# KiCad board pompyboard.kicad_pcb (continued)
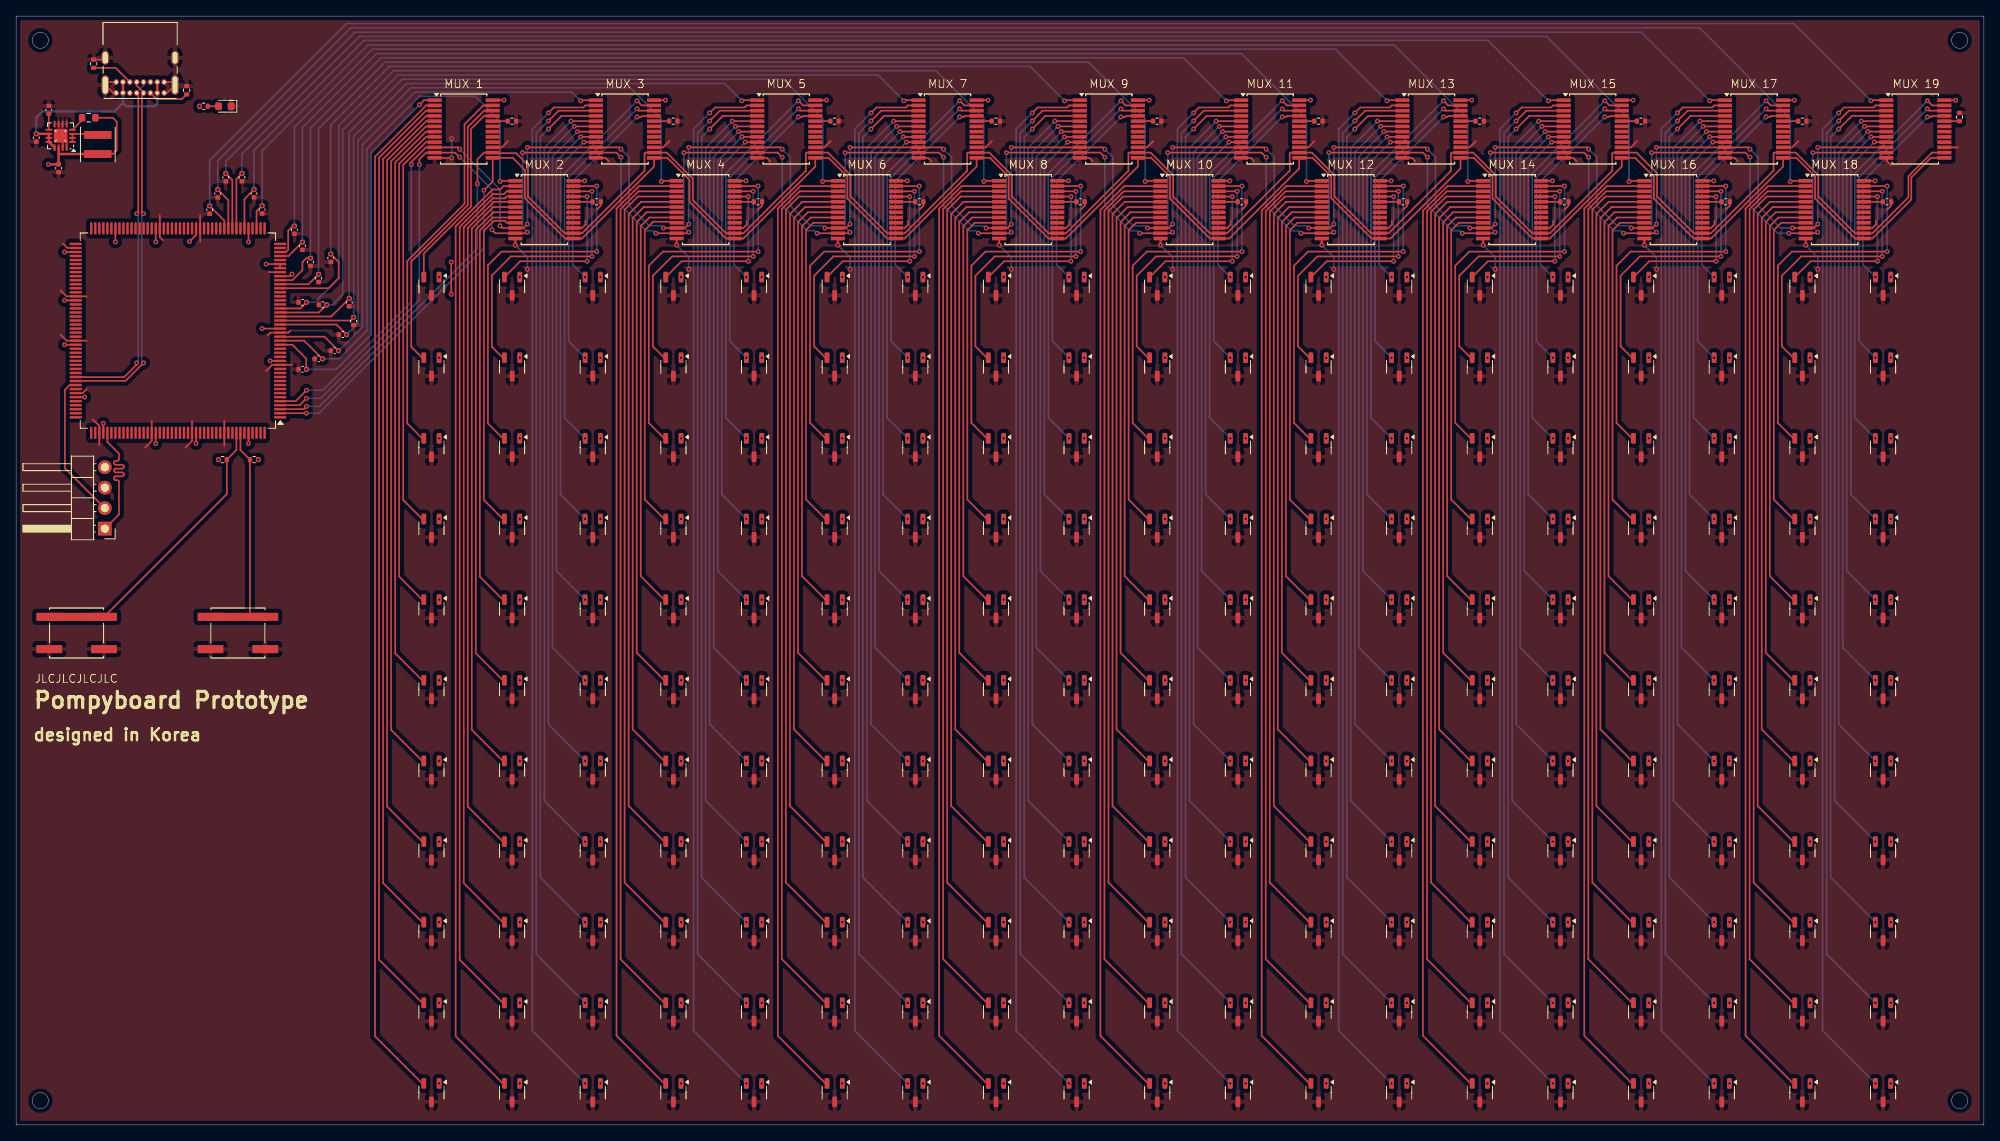
[diagram p0: board, top side]
## Routing (per net, layer and track width the routed paths; a pad name or vN(x,y) marks a point on that pad's centre or on a via; arc(x,y) is an arc through that point) (continued)
/sensor column3/sensor7/OUT: length 86.4
  Top w0.2: 80.5,35 75.95,39.55 75.95,112.94 77.48,114.47 U213.5
/sensor column3/sensor8/OUT: length 97.7
  Top w0.2: U213.4 77.1,115.12 75.45,113.47 75.45,30.05 80.5,25
/sensor column3/sensor9/OUT: length 108.7
  Top w0.2: U213.3 77.16,115.78 74.95,113.57 74.95,20.55 80.5,15
/sensor column3/sensor10/OUT: length 119.7
  Top w0.2: 80.5,5 74.45,11.05 74.45,113.63 77.24,116.42 U213.2
/sensor column4/sensor0/OUT: length 26
  Top w0.2: v1(97,125) 97.5,125 97.62,125.12 U214.21
  Bottom w0.2: v1(97,125) 89,117 89,106.69 v1(90.55,105.14)
/sensor column4/sensor1/OUT: length 37.4
  Top w0.2: v1(97,126) 97.22,125.78 U214.22
  Bottom w0.2: v1(97,126) 88.5,117.5 88.5,97.19 v1(90.55,95.14)
/sensor column4/sensor2/OUT: length 49
  Top w0.2: v1(97,127) 97.58,126.42 U214.23
  Bottom w0.2: v1(97,127) 88,118 88,87.69 v1(90.55,85.14)
/sensor column4/sensor3/OUT: length 50.7
  Top w0.2: v1(90.4,121.88) U214.9
  Bottom w0.2: v1(90.55,75.14) 87.5,78.19 87.5,118.97 v1(90.4,121.88)
/sensor column4/sensor4/OUT: length 62
  Top w0.2: v1(90,122.53) U214.8
  Bottom w0.2: v1(90.55,65.14) 87,68.69 87,119.53 v1(90,122.53)
/sensor column4/sensor5/OUT: length 73.3
  Top w0.2: v1(89.6,123.17) U214.7
  Bottom w0.2: v1(90.55,55.14) 86.5,59.19 86.5,120.08 v1(89.6,123.17)
/sensor column4/sensor6/OUT: length 84.6
  Top w0.2: v1(89.2,123.83) U214.6
  Bottom w0.2: v1(90.55,45.14) 86,49.69 86,120.62 v1(89.2,123.83)
/sensor column4/sensor7/OUT: length 95.9
  Top w0.2: v1(88.8,124.47) U214.5
  Bottom w0.2: v1(90.55,35.14) 85.5,40.19 85.5,121.17 v1(88.8,124.47)
/sensor column4/sensor8/OUT: length 107.6
  Top w0.2: U214.4 87.62,125.12 v1(86,123.5)
  Bottom w0.2: v1(86,123.5) 85,122.5 85,30.69 v1(90.55,25.14)
/sensor column4/sensor9/OUT: length 118.9
  Top w0.2: v1(86,124.5) 87.28,125.78 U214.3
  Bottom w0.2: v1(86,124.5) 84.5,123 84.5,21.19 v1(90.55,15.14)
/sensor column4/sensor10/OUT: length 130.2
  Top w0.2: v1(86,125.5) 86.68,126.18 90.33,126.18 90.58,126.42 U214.2
  Bottom w0.2: v1(86,125.5) 84,123.5 84,11.69 v1(90.55,5.14)
/sensor column5/sensor0/OUT: length 20.8
  Top w0.2: U6.2 102.51,107.1 v1(110.8,107.1) ; v1(110.8,115.12) U215.21
  Bottom w0.2: v1(110.8,107.1) v1(110.8,115.12)
/sensor column5/sensor1/OUT: length 34.8
  Top w0.2: v1(111.4,115.78) U215.22 ; 100.5,95 98.95,96.55 98.95,105.3 101.35,107.7 v1(111.4,107.7)
  Bottom w0.2: v1(111.4,115.78) v1(111.4,107.7)
/sensor column5/sensor2/OUT: length 47.7
  Top w0.2: 100.5,85 98.45,87.05 98.45,106.55 100.2,108.3 v1(112,108.3) ; v1(112,116.42) U215.23
  Bottom w0.2: v1(112,108.3) v1(112,116.42)
/sensor column5/sensor3/OUT: length 41.4
  Top w0.2: 100.5,75 97.95,77.55 97.95,110.97 98.85,111.88 U215.9
/sensor column5/sensor4/OUT: length 52.6
  Top w0.2: 100.5,65 97.45,68.05 97.45,111.45 98.53,112.53 U215.8
/sensor column5/sensor5/OUT: length 63.9
  Top w0.2: 100.5,55 96.95,58.55 96.95,111.95 98.17,113.17 U215.7
/sensor column5/sensor6/OUT: length 75.1
  Top w0.2: U215.6 97.83,113.83 96.45,112.45 96.45,49.05 100.5,45
/sensor column5/sensor7/OUT: length 86.4
  Top w0.2: 100.5,35 95.95,39.55 95.95,112.95 97.47,114.47 U215.5
/sensor column5/sensor8/OUT: length 97.7
  Top w0.2: 100.5,25 95.45,30.05 95.45,113.5 97.08,115.12 U215.4
/sensor column5/sensor9/OUT: length 108.7
  Top w0.2: U215.3 97.16,115.78 94.95,113.57 94.95,20.55 100.5,15
/sensor column5/sensor10/OUT: length 119.7
  Top w0.2: 100.5,5 94.45,11.05 94.45,113.63 97.24,116.42 U215.2
/sensor column6/sensor0/OUT: length 26
  Top w0.2: U216.21 117.62,125.12 117.5,125 v1(117,125)
  Bottom w0.2: v1(110.55,105.14) 109,106.69 109,117 v1(117,125)
/sensor column6/sensor1/OUT: length 37.4
  Top w0.2: v1(117,126) 117.22,125.78 U216.22
  Bottom w0.2: v1(110.55,95.14) 108.5,97.19 108.5,117.5 v1(117,126)
/sensor column6/sensor2/OUT: length 49
  Top w0.2: U216.23 117.57,126.42 v1(117,127)
  Bottom w0.2: v1(117,127) 108,118 108,87.69 v1(110.55,85.14)
/sensor column6/sensor3/OUT: length 50.7
  Top w0.2: v1(110.4,121.88) U216.9
  Bottom w0.2: v1(110.55,75.14) 107.5,78.19 107.5,118.97 v1(110.4,121.88)
/sensor column6/sensor4/OUT: length 62
  Top w0.2: v1(110,122.53) U216.8
  Bottom w0.2: v1(110,122.53) 107,119.53 107,68.69 v1(110.55,65.14)
/sensor column6/sensor5/OUT: length 73.3
  Top w0.2: v1(109.6,123.17) U216.7
  Bottom w0.2: v1(110.55,55.14) 106.5,59.19 106.5,120.08 v1(109.6,123.17)
/sensor column6/sensor6/OUT: length 84.6
  Top w0.2: v1(109.2,123.83) U216.6
  Bottom w0.2: v1(109.2,123.83) 106,120.62 106,49.69 v1(110.55,45.14)
/sensor column6/sensor7/OUT: length 95.9
  Top w0.2: v1(108.8,124.47) U216.5
  Bottom w0.2: v1(110.55,35.14) 105.5,40.19 105.5,121.17 v1(108.8,124.47)
/sensor column6/sensor8/OUT: length 107.6
  Top w0.2: U216.4 107.62,125.12 v1(106,123.5)
  Bottom w0.2: v1(106,123.5) 105,122.5 105,30.69 v1(110.55,25.14)
/sensor column6/sensor9/OUT: length 118.9
  Top w0.2: v1(106,124.5) 107.28,125.78 U216.3
  Bottom w0.2: v1(110.55,15.14) 104.5,21.19 104.5,123 v1(106,124.5)
/sensor column6/sensor10/OUT: length 130.2
  Top w0.2: U216.2 110.57,126.42 110.33,126.18 106.68,126.18 v1(106,125.5)
  Bottom w0.2: v1(110.55,5.14) 104,11.69 104,123.5 v1(106,125.5)
/sensor column7/sensor0/OUT: length 20.8
  Top w0.2: v1(130.8,107.1) 122.51,107.1 U8.2 ; v1(130.8,115.12) U217.21
  Bottom w0.2: v1(130.8,107.1) v1(130.8,115.12)
/sensor column7/sensor1/OUT: length 34.8
  Top w0.2: v1(131.4,107.7) 121.35,107.7 118.95,105.3 118.95,96.55 120.5,95 ; v1(131.4,115.78) U217.22
  Bottom w0.2: v1(131.4,115.78) v1(131.4,107.7)
/sensor column7/sensor2/OUT: length 47.7
  Top w0.2: v1(132,108.3) 120.2,108.3 118.45,106.55 118.45,87.05 120.5,85 ; v1(132,116.42) U217.23
  Bottom w0.2: v1(132,108.3) v1(132,116.42)
/sensor column7/sensor3/OUT: length 41.3
  Top w0.2: U217.9 118.88,111.88 117.95,110.95 117.95,77.55 120.5,75
/sensor column7/sensor4/OUT: length 52.6
  Top w0.2: U217.8 118.53,112.53 117.45,111.45 117.45,68.05 120.5,65
/sensor column7/sensor5/OUT: length 63.9
  Top w0.2: 120.5,55 116.95,58.55 116.95,111.95 118.18,113.17 U217.7
/sensor column7/sensor6/OUT: length 75.1
  Top w0.2: U217.6 117.82,113.83 116.45,112.45 116.45,49.05 120.5,45
/sensor column7/sensor7/OUT: length 86.4
  Top w0.2: U217.5 117.47,114.47 115.95,112.95 115.95,39.55 120.5,35
/sensor column7/sensor8/OUT: length 97.7
  Top w0.2: 120.5,25 115.45,30.05 115.45,113.45 117.12,115.12 U217.4
/sensor column7/sensor9/OUT: length 108.7
  Top w0.2: U217.3 117.16,115.78 114.95,113.57 114.95,20.55 120.5,15
/sensor column7/sensor10/OUT: length 119.7
  Top w0.2: U217.2 117.24,116.42 114.45,113.63 114.45,11.05 120.5,5
/sensor column8/sensor0/OUT: length 26
  Top w0.2: v1(137,125) 137.5,125 137.62,125.12 U218.21
  Bottom w0.2: v1(130.55,105.14) 129,106.69 129,117 v1(137,125)
/sensor column8/sensor1/OUT: length 37.4
  Top w0.2: U218.22 137.22,125.78 v1(137,126)
  Bottom w0.2: v1(130.55,95.14) 128.5,97.19 128.5,117.5 v1(137,126)
/sensor column8/sensor2/OUT: length 49
  Top w0.2: U218.23 137.57,126.42 v1(137,127)
  Bottom w0.2: v1(130.55,85.14) 128,87.69 128,118 v1(137,127)
/sensor column8/sensor3/OUT: length 50.7
  Top w0.2: v1(130.4,121.88) U218.9
  Bottom w0.2: v1(130.55,75.14) 127.5,78.19 127.5,118.97 v1(130.4,121.88)
/sensor column8/sensor4/OUT: length 62
  Top w0.2: v1(130,122.53) U218.8
  Bottom w0.2: v1(130,122.53) 127,119.53 127,68.69 v1(130.55,65.14)
/sensor column8/sensor5/OUT: length 73.3
  Top w0.2: v1(129.6,123.17) U218.7
  Bottom w0.2: v1(129.6,123.17) 126.5,120.08 126.5,59.19 v1(130.55,55.14)
/sensor column8/sensor6/OUT: length 84.6
  Top w0.2: v1(129.2,123.83) U218.6
  Bottom w0.2: v1(130.55,45.14) 126,49.69 126,120.62 v1(129.2,123.83)
/sensor column8/sensor7/OUT: length 95.9
  Top w0.2: v1(128.8,124.47) U218.5
  Bottom w0.2: v1(130.55,35.14) 125.5,40.19 125.5,121.17 v1(128.8,124.47)
/sensor column8/sensor8/OUT: length 107.6
  Top w0.2: U218.4 127.62,125.12 v1(126,123.5)
  Bottom w0.2: v1(126,123.5) 125,122.5 125,30.69 v1(130.55,25.14)
/sensor column8/sensor9/OUT: length 118.9
  Top w0.2: U218.3 127.28,125.78 v1(126,124.5)
  Bottom w0.2: v1(130.55,15.14) 124.5,21.19 124.5,123 v1(126,124.5)
/sensor column8/sensor10/OUT: length 130.2
  Top w0.2: U218.2 130.57,126.42 130.33,126.18 126.68,126.18 v1(126,125.5)
  Bottom w0.2: v1(126,125.5) 124,123.5 124,11.69 v1(130.55,5.14)
/sensor column9/sensor0/OUT: length 20.8
  Top w0.2: v1(150.8,115.12) U219.21 ; v1(150.8,107.1) 142.51,107.1 U10.2
  Bottom w0.2: v1(150.8,107.1) v1(150.8,115.12)
/sensor column9/sensor1/OUT: length 34.8
  Top w0.2: v1(151.4,115.78) U219.22 ; 140.5,95 138.95,96.55 138.95,105.3 141.35,107.7 v1(151.4,107.7)
  Bottom w0.2: v1(151.4,115.78) v1(151.4,107.7)
/sensor column9/sensor2/OUT: length 47.7
  Top w0.2: v1(152,108.3) 140.2,108.3 138.45,106.55 138.45,87.05 140.5,85 ; v1(152,116.42) U219.23
  Bottom w0.2: v1(152,108.3) v1(152,116.42)
/sensor column9/sensor3/OUT: length 41.3
  Top w0.2: 140.5,75 137.95,77.55 137.95,110.95 138.88,111.88 U219.9
/sensor column9/sensor4/OUT: length 52.6
  Top w0.2: 140.5,65 137.45,68.05 137.45,111.45 138.53,112.53 U219.8
/sensor column9/sensor5/OUT: length 63.9
  Top w0.2: 140.5,55 136.95,58.55 136.95,111.95 138.18,113.17 U219.7
/sensor column9/sensor6/OUT: length 75.1
  Top w0.2: U219.6 137.82,113.83 136.45,112.45 136.45,49.05 140.5,45
/sensor column9/sensor7/OUT: length 86.4
  Top w0.2: 140.5,35 135.95,39.55 135.95,112.95 137.47,114.47 U219.5
/sensor column9/sensor8/OUT: length 97.6
  Top w0.2: 140.5,25 135.45,30.05 135.45,113.32 137.26,115.12 U219.4
/sensor column9/sensor9/OUT: length 108.6
  Top w0.2: U219.3 137.34,115.78 134.95,113.38 134.95,20.55 140.5,15
/sensor column9/sensor10/OUT: length 119.6
  Top w0.2: 140.5,5 134.45,11.05 134.45,113.45 137.43,116.42 U219.2
/sensor column10/sensor0/OUT: length 26
  Top w0.2: v1(157,125) 157.5,125 157.62,125.12 U220.21
  Bottom w0.2: v1(150.55,105.14) 149,106.69 149,117 v1(157,125)
/sensor column10/sensor1/OUT: length 37.4
  Top w0.2: U220.22 157.22,125.78 v1(157,126)
  Bottom w0.2: v1(157,126) 148.5,117.5 148.5,97.19 v1(150.55,95.14)
/sensor column10/sensor2/OUT: length 49
  Top w0.2: U220.23 157.57,126.42 v1(157,127)
  Bottom w0.2: v1(150.55,85.14) 148,87.69 148,118 v1(157,127)
/sensor column10/sensor3/OUT: length 50.7
  Top w0.2: v1(150.4,121.88) U220.9
  Bottom w0.2: v1(150.4,121.88) 147.5,118.97 147.5,78.19 v1(150.55,75.14)
/sensor column10/sensor4/OUT: length 62
  Top w0.2: v1(150,122.53) U220.8
  Bottom w0.2: v1(150,122.53) 147,119.53 147,68.69 v1(150.55,65.14)
/sensor column10/sensor5/OUT: length 73.3
  Top w0.2: v1(149.6,123.17) U220.7
  Bottom w0.2: v1(150.55,55.14) 146.5,59.19 146.5,120.08 v1(149.6,123.17)
/sensor column10/sensor6/OUT: length 84.6
  Top w0.2: v1(149.2,123.83) U220.6
  Bottom w0.2: v1(149.2,123.83) 146,120.62 146,49.69 v1(150.55,45.14)
/sensor column10/sensor7/OUT: length 95.9
  Top w0.2: v1(148.8,124.47) U220.5
  Bottom w0.2: v1(148.8,124.47) 145.5,121.17 145.5,40.19 v1(150.55,35.14)
/sensor column10/sensor8/OUT: length 107.6
  Top w0.2: v1(146,123.5) 147.62,125.12 U220.4
  Bottom w0.2: v1(146,123.5) 145,122.5 145,30.69 v1(150.55,25.14)
/sensor column10/sensor9/OUT: length 118.9
  Top w0.2: v1(146,124.5) 147.28,125.78 U220.3
  Bottom w0.2: v1(146,124.5) 144.5,123 144.5,21.19 v1(150.55,15.14)
/sensor column10/sensor10/OUT: length 130.2
  Top w0.2: v1(146,125.5) 146.68,126.18 150.33,126.18 150.57,126.42 U220.2
  Bottom w0.2: v1(146,125.5) 144,123.5 144,11.69 v1(150.55,5.14)
/sensor column11/sensor0/OUT: length 20.8
  Top w0.2: v1(170.8,115.12) U221.21 ; U12.2 162.51,107.1 v1(170.8,107.1)
  Bottom w0.2: v1(170.8,107.1) v1(170.8,115.12)
/sensor column11/sensor1/OUT: length 34.8
  Top w0.2: 160.5,95 158.95,96.55 158.95,105.3 161.35,107.7 v1(171.4,107.7) ; v1(171.4,115.78) U221.22
  Bottom w0.2: v1(171.4,115.78) v1(171.4,107.7)
/sensor column11/sensor2/OUT: length 47.7
  Top w0.2: v1(172,116.42) U221.23 ; v1(172,108.3) 160.2,108.3 158.45,106.55 158.45,87.05 160.5,85
  Bottom w0.2: v1(172,108.3) v1(172,116.42)
/sensor column11/sensor3/OUT: length 41.3
  Top w0.2: U221.9 158.88,111.88 157.95,110.95 157.95,77.55 160.5,75
/sensor column11/sensor4/OUT: length 52.6
  Top w0.2: U221.8 158.53,112.53 157.45,111.45 157.45,68.05 160.5,65
/sensor column11/sensor5/OUT: length 63.9
  Top w0.2: U221.7 158.18,113.17 156.95,111.95 156.95,58.55 160.5,55
/sensor column11/sensor6/OUT: length 75.1
  Top w0.2: 160.5,45 156.45,49.05 156.45,112.45 157.82,113.83 U221.6
/sensor column11/sensor7/OUT: length 86.4
  Top w0.2: U221.5 157.47,114.47 155.95,112.95 155.95,39.55 160.5,35
/sensor column11/sensor8/OUT: length 97.6
  Top w0.2: 160.5,25 155.45,30.05 155.45,113.25 157.33,115.12 U221.4
/sensor column11/sensor9/OUT: length 108.6
  Top w0.2: U221.3 157.41,115.78 154.95,113.32 154.95,20.55 160.5,15
/sensor column11/sensor10/OUT: length 119.6
  Top w0.2: 160.5,5 154.45,11.05 154.45,113.38 157.49,116.42 U221.2
/sensor column12/sensor0/OUT: length 26
  Top w0.2: U222.21 177.62,125.12 177.5,125 v1(177,125)
  Bottom w0.2: v1(177,125) 169,117 169,106.69 v1(170.55,105.14)
/sensor column12/sensor1/OUT: length 37.4
  Top w0.2: v1(177,126) 177.22,125.78 U222.22
  Bottom w0.2: v1(177,126) 168.5,117.5 168.5,97.19 v1(170.55,95.14)
/sensor column12/sensor2/OUT: length 49
  Top w0.2: v1(177,127) 177.57,126.42 U222.23
  Bottom w0.2: v1(177,127) 168,118 168,87.69 v1(170.55,85.14)
/sensor column12/sensor3/OUT: length 50.7
  Top w0.2: v1(170.4,121.88) U222.9
  Bottom w0.2: v1(170.4,121.88) 167.5,118.97 167.5,78.19 v1(170.55,75.14)
/sensor column12/sensor4/OUT: length 62
  Top w0.2: v1(170,122.53) U222.8
  Bottom w0.2: v1(170,122.53) 167,119.53 167,68.69 v1(170.55,65.14)
/sensor column12/sensor5/OUT: length 73.3
  Top w0.2: v1(169.6,123.17) U222.7
  Bottom w0.2: v1(169.6,123.17) 166.5,120.08 166.5,59.19 v1(170.55,55.14)
/sensor column12/sensor6/OUT: length 84.6
  Top w0.2: v1(169.2,123.83) U222.6
  Bottom w0.2: v1(169.2,123.83) 166,120.62 166,49.69 v1(170.55,45.14)
/sensor column12/sensor7/OUT: length 95.9
  Top w0.2: v1(168.8,124.47) U222.5
  Bottom w0.2: v1(168.8,124.47) 165.5,121.17 165.5,40.19 v1(170.55,35.14)
/sensor column12/sensor8/OUT: length 107.6
  Top w0.2: U222.4 167.62,125.12 v1(166,123.5)
  Bottom w0.2: v1(166,123.5) 165,122.5 165,30.69 v1(170.55,25.14)
/sensor column12/sensor9/OUT: length 118.9
  Top w0.2: U222.3 167.28,125.78 v1(166,124.5)
  Bottom w0.2: v1(170.55,15.14) 164.5,21.19 164.5,123 v1(166,124.5)
/sensor column12/sensor10/OUT: length 130.2
  Top w0.2: U222.2 170.57,126.42 170.33,126.18 166.68,126.18 v1(166,125.5)
  Bottom w0.2: v1(170.55,5.14) 164,11.69 164,123.5 v1(166,125.5)
/sensor column13/sensor0/OUT: length 20.8
  Top w0.2: v1(190.8,107.1) 182.51,107.1 U14.2 ; v1(190.8,115.12) U223.21
  Bottom w0.2: v1(190.8,107.1) v1(190.8,115.12)
/sensor column13/sensor1/OUT: length 34.8
  Top w0.2: v1(191.4,107.7) 181.35,107.7 178.95,105.3 178.95,96.55 180.5,95 ; v1(191.4,115.78) U223.22
  Bottom w0.2: v1(191.4,115.78) v1(191.4,107.7)
/sensor column13/sensor2/OUT: length 47.7
  Top w0.2: 180.5,85 178.45,87.05 178.45,106.55 180.2,108.3 v1(192,108.3) ; v1(192,116.42) U223.23
  Bottom w0.2: v1(192,108.3) v1(192,116.42)
/sensor column13/sensor3/OUT: length 41.3
  Top w0.2: U223.9 178.88,111.88 177.95,110.95 177.95,77.55 180.5,75
/sensor column13/sensor4/OUT: length 52.6
  Top w0.2: U223.8 178.53,112.53 177.45,111.45 177.45,68.05 180.5,65
/sensor column13/sensor5/OUT: length 63.9
  Top w0.2: 180.5,55 176.95,58.55 176.95,111.95 178.18,113.17 U223.7
/sensor column13/sensor6/OUT: length 75.1
  Top w0.2: U223.6 177.82,113.83 176.45,112.45 176.45,49.05 180.5,45
/sensor column13/sensor7/OUT: length 86.4
  Top w0.2: 180.5,35 175.95,39.55 175.95,112.95 177.47,114.47 U223.5
/sensor column13/sensor8/OUT: length 97.6
  Top w0.2: 180.5,25 175.45,30.05 175.45,113.25 177.33,115.12 U223.4
/sensor column13/sensor9/OUT: length 108.6
  Top w0.2: U223.3 177.41,115.78 174.95,113.32 174.95,20.55 180.5,15
/sensor column13/sensor10/OUT: length 119.6
  Top w0.2: U223.2 177.49,116.42 174.45,113.38 174.45,11.05 180.5,5
/sensor column14/sensor0/OUT: length 26
  Top w0.2: U224.21 197.62,125.12 197.5,125 v1(197,125)
  Bottom w0.2: v1(190.55,105.14) 189,106.69 189,117 v1(197,125)
/sensor column14/sensor1/OUT: length 37.4
  Top w0.2: v1(197,126) 197.22,125.78 U224.22
  Bottom w0.2: v1(190.55,95.14) 188.5,97.19 188.5,117.5 v1(197,126)
/sensor column14/sensor2/OUT: length 49
  Top w0.2: U224.23 197.57,126.42 v1(197,127)
  Bottom w0.2: v1(197,127) 188,118 188,87.69 v1(190.55,85.14)
/sensor column14/sensor3/OUT: length 50.7
  Top w0.2: v1(190.4,121.88) U224.9
  Bottom w0.2: v1(190.4,121.88) 187.5,118.97 187.5,78.19 v1(190.55,75.14)
/sensor column14/sensor4/OUT: length 62
  Top w0.2: v1(190,122.53) U224.8
  Bottom w0.2: v1(190.55,65.14) 187,68.69 187,119.53 v1(190,122.53)
/sensor column14/sensor5/OUT: length 73.3
  Top w0.2: v1(189.6,123.17) U224.7
  Bottom w0.2: v1(190.55,55.14) 186.5,59.19 186.5,120.08 v1(189.6,123.17)
/sensor column14/sensor6/OUT: length 84.6
  Top w0.2: v1(189.2,123.83) U224.6
  Bottom w0.2: v1(189.2,123.83) 186,120.62 186,49.69 v1(190.55,45.14)
/sensor column14/sensor7/OUT: length 95.9
  Top w0.2: v1(188.8,124.47) U224.5
  Bottom w0.2: v1(190.55,35.14) 185.5,40.19 185.5,121.17 v1(188.8,124.47)
/sensor column14/sensor8/OUT: length 107.6
  Top w0.2: v1(186,123.5) 187.62,125.12 U224.4
  Bottom w0.2: v1(186,123.5) 185,122.5 185,30.69 v1(190.55,25.14)
/sensor column14/sensor9/OUT: length 118.9
  Top w0.2: U224.3 187.28,125.78 v1(186,124.5)
  Bottom w0.2: v1(186,124.5) 184.5,123 184.5,21.19 v1(190.55,15.14)
/sensor column14/sensor10/OUT: length 130.2
  Top w0.2: U224.2 190.57,126.42 190.33,126.18 186.68,126.18 v1(186,125.5)
  Bottom w0.2: v1(190.55,5.14) 184,11.69 184,123.5 v1(186,125.5)
/sensor column15/sensor0/OUT: length 20.8
  Top w0.2: v1(210.8,115.12) U225.21 ; U16.2 202.51,107.1 v1(210.8,107.1)
  Bottom w0.2: v1(210.8,107.1) v1(210.8,115.12)
/sensor column15/sensor1/OUT: length 34.8
  Top w0.2: v1(211.4,107.7) 201.35,107.7 198.95,105.3 198.95,96.55 200.5,95 ; v1(211.4,115.78) U225.22
  Bottom w0.2: v1(211.4,115.78) v1(211.4,107.7)
/sensor column15/sensor2/OUT: length 47.7
  Top w0.2: 200.5,85 198.45,87.05 198.45,106.55 200.2,108.3 v1(212,108.3) ; v1(212,116.42) U225.23
  Bottom w0.2: v1(212,108.3) v1(212,116.42)
/sensor column15/sensor3/OUT: length 41.3
  Top w0.2: U225.9 198.88,111.88 197.95,110.95 197.95,77.55 200.5,75
/sensor column15/sensor4/OUT: length 52.6
  Top w0.2: U225.8 198.53,112.53 197.45,111.45 197.45,68.05 200.5,65
/sensor column15/sensor5/OUT: length 63.9
  Top w0.2: U225.7 198.18,113.17 196.95,111.95 196.95,58.55 200.5,55
/sensor column15/sensor6/OUT: length 75.1
  Top w0.2: 200.5,45 196.45,49.05 196.45,112.45 197.82,113.83 U225.6
/sensor column15/sensor7/OUT: length 86.4
  Top w0.2: U225.5 197.47,114.47 195.95,112.95 195.95,39.55 200.5,35
/sensor column15/sensor8/OUT: length 97.7
  Top w0.2: U225.4 197.08,115.12 195.45,113.5 195.45,30.05 200.5,25
/sensor column15/sensor9/OUT: length 108.7
  Top w0.2: 200.5,15 194.95,20.55 194.95,113.57 197.16,115.78 U225.3
/sensor column15/sensor10/OUT: length 119.7
  Top w0.2: U225.2 197.24,116.42 194.45,113.63 194.45,11.05 200.5,5
/sensor column16/sensor0/OUT: length 26
  Top w0.2: U226.21 217.62,125.12 217.5,125 v1(217,125)
  Bottom w0.2: v1(217,125) 209,117 209,106.69 v1(210.55,105.14)
/sensor column16/sensor1/OUT: length 37.4
  Top w0.2: v1(217,126) 217.22,125.78 U226.22
  Bottom w0.2: v1(217,126) 208.5,117.5 208.5,97.19 v1(210.55,95.14)
/sensor column16/sensor2/OUT: length 49
  Top w0.2: v1(217,127) 217.57,126.42 U226.23
  Bottom w0.2: v1(210.55,85.14) 208,87.69 208,118 v1(217,127)
/sensor column16/sensor3/OUT: length 50.7
  Top w0.2: v1(210.4,121.88) U226.9
  Bottom w0.2: v1(210.4,121.88) 207.5,118.97 207.5,78.19 v1(210.55,75.14)
/sensor column16/sensor4/OUT: length 62
  Top w0.2: v1(210,122.53) U226.8
  Bottom w0.2: v1(210.55,65.14) 207,68.69 207,119.53 v1(210,122.53)
/sensor column16/sensor5/OUT: length 73.3
  Top w0.2: v1(209.6,123.17) U226.7
  Bottom w0.2: v1(209.6,123.17) 206.5,120.08 206.5,59.19 v1(210.55,55.14)
/sensor column16/sensor6/OUT: length 84.6
  Top w0.2: v1(209.2,123.83) U226.6
  Bottom w0.2: v1(210.55,45.14) 206,49.69 206,120.62 v1(209.2,123.83)
/sensor column16/sensor7/OUT: length 95.9
  Top w0.2: v1(208.8,124.47) U226.5
  Bottom w0.2: v1(210.55,35.14) 205.5,40.19 205.5,121.17 v1(208.8,124.47)
/sensor column16/sensor8/OUT: length 107.6
  Top w0.2: U226.4 207.62,125.12 v1(206,123.5)
  Bottom w0.2: v1(206,123.5) 205,122.5 205,30.69 v1(210.55,25.14)
/sensor column16/sensor9/OUT: length 118.9
  Top w0.2: v1(206,124.5) 207.28,125.78 U226.3
  Bottom w0.2: v1(210.55,15.14) 204.5,21.19 204.5,123 v1(206,124.5)
/sensor column16/sensor10/OUT: length 130.2
  Top w0.2: U226.2 210.57,126.42 210.33,126.18 206.68,126.18 v1(206,125.5)
  Bottom w0.2: v1(210.55,5.14) 204,11.69 204,123.5 v1(206,125.5)
/sensor column17/sensor0/OUT: length 20.8
  Top w0.2: v1(230.8,107.1) 222.51,107.1 U18.2 ; v1(230.8,115.12) U227.21
  Bottom w0.2: v1(230.8,107.1) v1(230.8,115.12)
/sensor column17/sensor1/OUT: length 34.8
  Top w0.2: v1(231.4,107.7) 221.35,107.7 218.95,105.3 218.95,96.55 220.5,95 ; v1(231.4,115.78) U227.22
  Bottom w0.2: v1(231.4,115.78) v1(231.4,107.7)
/sensor column17/sensor2/OUT: length 47.7
  Top w0.2: v1(232,116.42) U227.23 ; 220.5,85 218.45,87.05 218.45,106.55 220.2,108.3 v1(232,108.3)
  Bottom w0.2: v1(232,108.3) v1(232,116.42)
/sensor column17/sensor3/OUT: length 41.3
  Top w0.2: 220.5,75 217.95,77.55 217.95,110.95 218.88,111.88 U227.9
/sensor column17/sensor4/OUT: length 52.6
  Top w0.2: 220.5,65 217.45,68.05 217.45,111.45 218.53,112.53 U227.8
/sensor column17/sensor5/OUT: length 63.9
  Top w0.2: U227.7 218.18,113.17 216.95,111.95 216.95,58.55 220.5,55
/sensor column17/sensor6/OUT: length 75.1
  Top w0.2: U227.6 217.82,113.83 216.45,112.45 216.45,49.05 220.5,45
/sensor column17/sensor7/OUT: length 86.4
  Top w0.2: U227.5 217.47,114.47 215.95,112.95 215.95,39.55 220.5,35
/sensor column17/sensor8/OUT: length 97.7
  Top w0.2: U227.4 217.08,115.12 215.45,113.5 215.45,30.05 220.5,25
/sensor column17/sensor9/OUT: length 108.7
  Top w0.2: U227.3 217.16,115.78 214.95,113.57 214.95,20.55 220.5,15
/sensor column17/sensor10/OUT: length 119.7
  Top w0.2: U227.2 217.24,116.42 214.45,113.63 214.45,11.05 220.5,5
/sensor column18/sensor0/OUT: length 26
  Top w0.2: U228.21 237.62,125.12 237.5,125 v1(237,125)
  Bottom w0.2: v1(230.55,105.14) 229,106.69 229,117 v1(237,125)
/sensor column18/sensor1/OUT: length 37.4
  Top w0.2: U228.22 237.23,125.78 v1(237,126)
  Bottom w0.2: v1(230.55,95.14) 228.5,97.19 228.5,117.5 v1(237,126)
/sensor column18/sensor2/OUT: length 49
  Top w0.2: U228.23 237.57,126.42 v1(237,127)
  Bottom w0.2: v1(230.55,85.14) 228,87.69 228,118 v1(237,127)
/sensor column18/sensor3/OUT: length 50.7
  Top w0.2: v1(230.4,121.88) U228.9
  Bottom w0.2: v1(230.55,75.14) 227.5,78.19 227.5,118.97 v1(230.4,121.88)
/sensor column18/sensor4/OUT: length 62
  Top w0.2: v1(230,122.53) U228.8
  Bottom w0.2: v1(230.55,65.14) 227,68.69 227,119.53 v1(230,122.53)
/sensor column18/sensor5/OUT: length 73.3
  Top w0.2: v1(229.6,123.17) U228.7
  Bottom w0.2: v1(229.6,123.17) 226.5,120.08 226.5,59.19 v1(230.55,55.14)
/sensor column18/sensor6/OUT: length 84.6
  Top w0.2: v1(229.2,123.83) U228.6
  Bottom w0.2: v1(230.55,45.14) 226,49.69 226,120.62 v1(229.2,123.83)
/sensor column18/sensor7/OUT: length 95.9
  Top w0.2: v1(228.8,124.47) U228.5
  Bottom w0.2: v1(228.8,124.47) 225.5,121.17 225.5,40.19 v1(230.55,35.14)
/sensor column18/sensor8/OUT: length 107.6
  Top w0.2: v1(226,123.5) 227.62,125.12 U228.4
  Bottom w0.2: v1(226,123.5) 225,122.5 225,30.69 v1(230.55,25.14)
/sensor column18/sensor9/OUT: length 118.9
  Top w0.2: U228.3 227.28,125.78 v1(226,124.5)
  Bottom w0.2: v1(230.55,15.14) 224.5,21.19 224.5,123 v1(226,124.5)
/sensor column18/sensor10/OUT: length 130.2
  Top w0.2: v1(226,125.5) 226.68,126.18 230.33,126.18 230.57,126.42 U228.2
  Bottom w0.2: v1(230.55,5.14) 224,11.69 224,123.5 v1(226,125.5)
D+: length 44.8
  Top w0.2: v1(15.8,94.5) 13.58,92.28 8.54,92.28 8.51,92.25 U229.123 ; v1(15.8,113) 15.6,113.2 15.6,127.78 J1.A6 ; 15.8,128.05 14.95,128.9 14.95,129.32
  Bottom w0.2: v1(15.8,113) 15.6,112.8 15.6,94.7 v1(15.8,94.5)
D-: length 43.9
  Top w0.2: v1(14.95,113) 15.15,113.2 15.15,127.78 J1.A7 ; v1(14.95,94.5) 14.95,94.29 13.39,92.72 8.54,92.72 8.51,92.75 U229.122
  Bottom w0.2: v1(14.95,94.5) 15.15,94.7 15.15,112.8 v1(14.95,113) ; 15.8,129.32 15.8,128.9 14.95,128.05
MUX0_OUT: length 48.2
  Top w0.2: v1(35.98,93.7) 35.98,95.02 34.25,96.75 U229.19 ; v1(50,126.5) 50.58,127.08 U210.1
  Bottom w0.2: v1(50,126.5) 44,120.5 44,98 39.7,93.7 v1(35.98,93.7)
MUX1_OUT: length 65.6
  Top w0.2: v1(37.98,95) 35.73,97.25 U229.20 ; U211.1 60.08,117.08 v1(60,117)
  Bottom w0.2: v1(60,117) 60,124.5 56.95,127.55 49.99,127.55 43.5,121.06 43.5,98.5 40,95 v1(37.98,95)
MUX2_OUT: length 66.9
  Top w0.2: U229.21 38.23,97.75 v1(39.98,96) ; U212.1 70.08,127.08 v1(70,127)
  Bottom w0.2: v1(39.98,96) 42.95,98.97 42.95,121.57 49.46,128.08 68.92,128.08 v1(70,127)
MUX3_OUT: length 85
  Top w0.2: v1(40.98,98) 39.73,99.25 U229.24 ; v1(80,117) 80.08,117.08 U213.1
  Bottom w0.2: v1(80,117) 80,124.78 76.17,128.61 48.93,128.61 42.4,122.08 42.4,99.42 v1(40.98,98)
MUX4_OUT: length 85.4
  Top w0.2: v1(90,127) 90.08,127.08 U214.1 ; U229.25 41.45,99.75 v1(41.85,100.15)
  Bottom w0.2: v1(90,127) 87.86,129.14 48.4,129.14 41.85,122.59 v1(41.85,100.15)
MUX5_OUT: length 103.3
  Top w0.2: U229.26 39.07,100.25 v1(41.3,102.48) ; U215.1 100.08,117.08 v1(100,117)
  Bottom w0.2: v1(41.3,102.48) 41.3,123.1 47.87,129.67 95.11,129.67 100,124.78 v1(100,117)
MUX6_OUT: length 104.8
  Top w0.2: v1(110.07,127) 110,127 110.07,127.08 U216.1 ; U229.27 37.55,100.75 v1(38.5,101.7)
  Bottom w0.2: v1(110.07,127) 106.87,130.2 47.34,130.2 40.5,123.36 40.5,103 39.2,101.7 v1(38.5,101.7)
MUX7_OUT: length 122.7
  Top w0.2: U229.28 35.25,101.25 35.98,101.98 v1(35.98,102) ; v1(120,117) 120.07,117.08 U217.1
  Bottom w0.2: v1(35.98,102) 37,102 40,105 40,123.92 46.81,130.73 114.05,130.73 120,124.78 v1(120,117)
MUX8_OUT: length 124.9
  Top w0.2: v1(130,127) 130.07,127.08 U218.1 ; U229.33 38.75,103.75 40,105 40,107 v1(39,108)
  Bottom w0.2: v1(39,108) 39,123.99 46.28,131.26 125.74,131.26 v1(130,127)
MUX9_OUT: length 141.9
  Top w0.2: v1(37.5,105.48) 37.48,105.48 36.25,104.25 U229.34 ; U219.1 140.07,117.08 v1(140,117)
  Bottom w0.2: v1(37.5,105.48) 37.5,123.55 45.75,131.79 132.99,131.79 140,124.78 v1(140,117)
MUX10_OUT: length 143
  Top w0.2: v1(150.07,127) 150,127 150.07,127.08 U220.1 ; U229.35 34.25,104.75 35.5,106 35.5,107 35.98,107.48 v1(36.5,107.48)
  Bottom w0.2: v1(36.5,107.48) 36.5,123.61 45.23,132.33 144.74,132.33 v1(150.07,127)
MUX11_OUT: length 159
  Top w0.2: v1(160,117) 160.07,117.08 U221.1 ; v1(35.5,109.48) 33.77,107.75 U229.41
  Bottom w0.2: v1(160,117) 160,124.78 151.92,132.85 44.69,132.85 35.5,123.67 v1(35.5,109.48)
MUX12_OUT: length 160.8
  Top w0.2: v1(34.5,111.48) 34.34,111.48 33.74,110.88 33.74,108.54 33.45,108.25 U229.42 ; v1(170,127) 170.07,127.08 U222.1
  Bottom w0.2: v1(170,127) 163.59,133.41 44.18,133.41 34.5,123.73 v1(34.5,111.48)
MUX13_OUT: length 178.3
  Top w0.2: v1(180,117) 180.07,117.08 U223.1 ; U229.47 29.81,113.29 v1(30.5,113.98)
  Bottom w0.2: v1(180,117) 180,124.78 170.86,133.91 43.63,133.91 30.5,120.79 v1(30.5,113.98)
MUX14_OUT: length 181.4
  Top w0.2: v1(190,127) 190.07,127.08 U224.1 ; U229.50 28.31,114.81 v1(29.5,116)
  Bottom w0.2: v1(190,127) 182.5,134.5 43.15,134.5 29.5,120.85 v1(29.5,116)
MUX15_OUT: length 201.5
  Top w0.2: U229.52 27.31,117.29 C16.2 ; U225.1 200.07,117.08 v1(200,117)
  Bottom w0.2: v1(200,117) 200,124.78 189.8,134.98 42.57,134.98 28,120.41 v1(28,118)
MUX16_OUT: length 204.7
  Top w0.2: U229.53 26.81,117.17 v1(26,117.98) ; U226.1 210.07,127.08 v1(210,127)
  Bottom w0.2: v1(26,117.98) 26,119.5 42.01,135.51 201.49,135.51 v1(210,127)
MUX17_OUT: length 225.1
  Top w0.2: U227.1 220.07,117.08 v1(220,117) ; v1(25,115.98) 26.31,114.67 U229.54
  Bottom w0.2: v1(220,117) 220,124.78 208.73,136.05 41.49,136.05 25,119.56 v1(25,115.98)
MUX18_OUT: length 228.1
  Top w0.2: U228.1 230.07,127.08 v1(230,127) ; v1(24,113.96) 25.81,112.15 U229.55
  Bottom w0.2: v1(230,127) 220.42,136.58 40.96,136.58 24,119.62 v1(24,113.96)
S0: length 377.9
  Top w0.2: v1(100.28,111.22) U215.10 102.92,111.22 v1(103.4,111.7) ; v1(180.28,111.22) U223.10 182.93,111.22 v1(183.4,111.7) ; v1(95,121) 94.78,121.22 U214.10 v1(83.4,121.22) ; v1(163.4,111.7) 162.93,111.22 U221.10 v1(160.28,111.22) ; v1(203.4,121.22) U226.10 214.78,121.22 v1(215,121) ; v1(175,121) 174.78,121.22 U222.10 v1(163.4,121.22) ; v1(75,121) 74.78,121.22 U212.10 v1(63.4,121.22) ; v1(115,121) 114.78,121.22 U216.10 v1(103.4,121.22) ; v1(80.28,111.22) U213.10 82.92,111.22 v1(83.4,111.7) ; v1(200.28,111.22) U225.10 202.93,111.22 v1(203.4,111.7) ; v1(183.4,121.22) U224.10 194.78,121.22 v1(195,121) ; v1(223.4,111.7) 222.93,111.22 U227.10 v1(220.28,111.22) ; v1(36,91.1) 34.65,89.75 U229.5 ; v1(123.4,111.7) 122.93,111.22 U217.10 v1(120.28,111.22) ; v1(123.4,121.22) U218.10 134.78,121.22 v1(135,121) ; v1(49,119.1) 49,119.4 50.83,121.22 U210.10 54.78,121.22 v1(55,121) ; v1(60,111.5) 60.28,111.22 U211.10 62.92,111.22 v1(63.4,111.7) ; v1(155,121) 154.78,121.22 U220.10 v1(143.4,121.22) ; U228.10 v1(223.4,121.22) ; v1(143.4,111.7) 142.93,111.22 U219.10 v1(140.28,111.22)
  Bottom w0.2: v1(36,91.1) 38,91.1 49,102.1 v1(49,119.1) ; v1(160.28,111.22) 160,111.5 158.5,111.5 156,114 156,120 v1(155,121) ; v1(183.4,111.7) v1(183.4,121.22) ; v1(223.4,111.7) v1(223.4,121.22) ; v1(143.4,111.7) v1(143.4,121.22) ; v1(83.4,111.7) v1(83.4,121.22) ; v1(163.4,111.7) v1(163.4,121.22) ; v1(135,121) 136,120 136,114 138.5,111.5 140,111.5 v1(140.28,111.22) ; v1(95,121) 96,120 96,114 98.5,111.5 100,111.5 v1(100.28,111.22) ; v1(120.28,111.22) 120,111.5 118.5,111.5 116,114 116,120 v1(115,121) ; v1(63.4,111.7) v1(63.4,121.22) ; v1(180.28,111.22) 180,111.5 178.5,111.5 176,114 176,120 v1(175,121) ; v1(220.28,111.22) 218.78,111.22 216,114 216,120 v1(215,121) ; v1(195,121) 196,120 196,114 198.5,111.5 200,111.5 v1(200.28,111.22) ; v1(203.4,111.7) v1(203.4,121.22) ; v1(55,121) 60,116 v1(60,111.5) ; v1(80.28,111.22) 80,111.5 78.5,111.5 76,114 76,120 v1(75,121) ; v1(123.4,111.7) v1(123.4,121.22) ; v1(103.4,111.7) v1(103.4,121.22)
S1: length 387.7
  Top w0.2: v1(103.4,110.7) 103.28,110.58 U215.11 v1(99.33,110.58) ; v1(82.8,120.58) U214.11 94.42,120.58 v1(95,120) ; v1(62.8,120.58) U212.11 74.42,120.58 v1(75,120) ; v1(182.8,120.58) U224.11 194.43,120.58 v1(195,120) ; v1(202.8,120.58) U226.11 214.43,120.58 v1(215,120) ; v1(102.8,120.58) U216.11 114.43,120.58 v1(115,120) ; v1(50,119.1) 50,119.75 50.83,120.58 U210.11 54.42,120.58 v1(55,120) ; v1(119.32,110.58) U217.11 123.28,110.58 v1(123.4,110.7) ; v1(179.32,110.58) U223.11 183.28,110.58 v1(183.4,110.7) ; v1(135,120) 134.43,120.58 U218.11 v1(122.8,120.58) ; v1(223.4,110.7) 223.28,110.58 U227.11 v1(219.8,110.58) ; v1(162.8,120.58) U222.11 174.43,120.58 v1(175,120) ; v1(79.33,110.58) U213.11 83.28,110.58 v1(83.4,110.7) ; v1(63.4,110.7) 63.28,110.58 U211.11 59.42,110.58 v1(59,111) ; v1(139.32,110.58) U219.11 143.28,110.58 v1(143.4,110.7) ; v1(163.4,110.7) 163.28,110.58 U221.11 v1(159.32,110.58) ; v1(199.32,110.58) U225.11 203.28,110.58 v1(203.4,110.7) ; v1(36,90.1) 35.15,89.25 U229.4 ; v1(155,120) 154.43,120.58 U220.11 v1(142.8,120.58) ; U228.11 v1(222.8,120.58)
  Bottom w0.2: v1(199.32,110.58) 199,110.9 198.1,110.9 195,114 v1(195,120) ; v1(79.33,110.58) 79,110.9 78.1,110.9 75,114 v1(75,120) ; v1(175,120) 175,114 178.1,110.9 179,110.9 v1(179.32,110.58) ; v1(115,120) 115,114 118.1,110.9 119,110.9 v1(119.32,110.58) ; v1(203.4,110.7) 202.8,111.3 v1(202.8,120.58) ; v1(59,111) 59,116 v1(55,120) ; v1(95,120) 95,114 98.1,110.9 99,110.9 v1(99.33,110.58) ; v1(36,90.1) 37.8,90.1 50,102.3 v1(50,119.1) ; v1(63.4,110.7) 62.8,111.3 v1(62.8,120.58) ; v1(123.4,110.7) 122.8,111.3 v1(122.8,120.58) ; v1(135,120) 135,114 138.1,110.9 139,110.9 v1(139.32,110.58) ; v1(223.4,110.7) 222.8,111.3 v1(222.8,120.58) ; v1(183.4,110.7) 182.8,111.3 v1(182.8,120.58) ; v1(143.4,110.7) 142.8,111.3 v1(142.8,120.58) ; v1(155,120) 155,114 158.1,110.9 159,110.9 v1(159.32,110.58) ; v1(103.4,110.7) 102.8,111.3 v1(102.8,120.58) ; v1(219.8,110.58) 218.43,110.58 215,114 v1(215,120) ; v1(163.4,110.7) 162.8,111.3 v1(162.8,120.58) ; v1(83.4,110.7) 82.8,111.3 v1(82.8,120.58)
S2: length 327.1
  Top w0.2: v1(36,89.1) 35.65,88.75 U229.3 ; v1(57.2,116.7) 57.2,119.75 58.03,120.58 U210.14 59.17,120.5 62,120.5 63.48,119.02 63.48,115.12 68.03,110.58 U211.14 70.17,110.58 77.92,118.32 77.92,120.47 78.03,120.58 U212.14 80.67,120.58 83.9,117.34 83.9,114.7 88.03,110.58 U213.14 90.17,110.58 97.92,118.32 97.92,120.47 98.03,120.58 U214.14 100.67,120.58 103.48,117.77 103.48,115.12 108.03,110.58 U215.14 110.18,110.58 117.92,118.32 117.92,120.47 118.03,120.58 U216.14 120.67,120.58 123.48,117.77 123.48,115.12 128.03,110.58 U217.14 130.18,110.58 137.92,118.32 137.92,120.47 138.03,120.58 U218.14 140.67,120.58 143.48,117.77 143.48,115.12 148.03,110.58 U219.14 150.15,110.58 157.92,118.35 157.92,120.47 158.03,120.58 U220.14 160.67,120.58 163.48,117.77 163.48,115.12 168.03,110.58 U221.14 170.18,110.58 177.92,118.32 177.92,120.47 178.03,120.58 U222.14 180.67,120.58 183.48,117.77 183.48,115.12 188.03,110.58 U223.14 190.18,110.58 197.92,118.32 197.92,120.47 198.03,120.58 U224.14 200.93,120.58 203.48,118.02 203.48,115.15 208.05,110.58 U225.14 210.15,110.58 217.92,118.35 217.92,120.47 218.03,120.58 U226.14 220.67,120.58 223.48,117.77 223.48,115.12 228.03,110.58 U227.14 230.18,110.58 234.65,115.05 234.65,117.65 235,118 235,118 237.57,120.58 239.2,120.58
  Bottom w0.2: v1(36,89.1) 37.6,89.1 57.2,108.7 v1(57.2,116.7)
S3: length 321.8
  Top w0.2: U229.2 v1(36,88.25) ; v1(58,115.9) 59.1,117 U210.13 61.58,119.92 63.08,118.42 63.08,114.92 68.08,109.92 U211.13 70.17,109.92 79.1,118.85 U212.13 80.75,119.92 83.5,117.18 83.5,114.45 88.03,109.92 U213.13 90.17,109.92 99.1,118.85 U214.13 100.75,119.92 103.08,117.6 103.08,114.87 108.03,109.92 U215.13 110.18,109.92 119.1,118.85 U216.13 120.75,119.92 123.08,117.6 123.08,114.87 128.03,109.92 U217.13 130.18,109.92 139.1,118.85 U218.13 140.75,119.92 143.08,117.6 143.08,114.87 148.03,109.92 U219.13 150.43,109.92 159.1,118.6 U220.13 160.75,119.92 163.08,117.6 163.08,114.92 168.07,109.92 U221.13 170.43,109.92 179.1,118.6 U222.13 180.75,119.92 183.08,117.6 183.08,114.87 188.03,109.92 U223.13 190.18,109.92 199.1,118.85 U224.13 200.75,119.92 203.08,117.6 203.08,114.87 208.03,109.92 U225.13 210.18,109.92 219.1,118.85 U226.13 220.75,119.92 223.08,117.6 223.08,114.87 228.03,109.92 U227.13 230.18,109.92 235,114.75 235,117.5 237.43,119.92 239.2,119.92
  Bottom w0.2: v1(58,115.9) 58,108.7 37.55,88.25 v1(36,88.25)
VI: length 26.9
  Top w0.3: J1.A4 17.5,129.32 ; U231.13 U231.12 U231.10 v1(2.5,122.9) ; J1.A9 13.25,129.32
  Bottom w0.3: v1(2.5,122.9) 2.48,122.92 2.48,124.9 3.27,125.69 12.21,125.69 13.25,126.72 ; J1.A9 13.25,126.72 ; 13.25,126.72 13.65,126.33 17.15,126.33 17.5,126.67 J1.A4
Net-(D1-A): length 1.3
  Top w0.2: R25.2 D1.2
Net-(J1-CC1): length 5.1
  Top w0.2: R23.2 20.55,127.2 17.42,127.2 J1.A5
Net-(J1-CC2): length 5.2
  Top w0.2: 14.1,129.32 12.34,131.09 R22.1
Net-(J2-Pin_1): length 18.3
  Top w0.2: U229.137 11.31,84.69 12.75,83.25 12.75,82.54 arc(12.69,82.4) 12.56,82.35 12.33,82.35 arc(12.2,82.29) 12.14,82.16 12.14,82.06 arc(12.2,81.92) 12.33,81.87 13.17,81.87 arc(13.3,81.81) 13.36,81.68 13.36,81.58 arc(13.3,81.44) 13.17,81.39 12.33,81.39 arc(12.2,81.33) 12.14,81.2 12.14,81.1 arc(12.2,80.96) 12.33,80.91 13.17,80.91 arc(13.3,80.85) 13.36,80.72 13.36,80.62 arc(13.3,80.48) 13.17,80.43 12.33,80.43 arc(12.2,80.37) 12.14,80.24 12.14,80.14 arc(12.2,80) 12.33,79.95 12.56,79.95 arc(12.69,79.89) 12.75,79.76 12.75,75.69 J2.1
Net-(J2-Pin_2): length 18.3
  Top w0.2: J2.2 6.05,81.43 6.05,91.16 6.64,91.75 U229.124
Net-(L1-Pad1): length 4.2
  Top w0.2: L1.1 10,122.9 U231.3 U231.1
Net-(U210-I11): length 1.9
  Top w0.2: U210.20 R1.1
Net-(U211-I11): length 2.4
  Top w0.2: U211.20 R2.1
Net-(U212-I11): length 1.9
  Top w0.2: U212.20 R3.1
Net-(U213-I11): length 2.4
  Top w0.2: U213.20 R4.1
Net-(U214-I11): length 1.9
  Top w0.2: U214.20 R5.1
Net-(U215-I11): length 2.4
  Top w0.2: U215.20 R6.1
Net-(U216-I11): length 1.9
  Top w0.2: U216.20 R7.1
Net-(U217-I11): length 2.4
  Top w0.2: U217.20 R8.1
Net-(U218-I11): length 1.9
  Top w0.2: U218.20 R9.1
Net-(U219-I11): length 2.4
  Top w0.2: U219.20 R10.1
Net-(U220-I11): length 1.9
  Top w0.2: U220.20 R11.1
Net-(U221-I11): length 2.4
  Top w0.2: U221.20 R12.1
Net-(U222-I11): length 1.9
  Top w0.2: U222.20 R13.1
Net-(U223-I11): length 2.4
  Top w0.2: U223.20 R14.1
Net-(U224-I11): length 1.9
  Top w0.2: U224.20 R15.1
Net-(U225-I11): length 2.4
  Top w0.2: U225.20 R16.1
Net-(U226-I11): length 1.9
  Top w0.2: U226.20 R17.1
Net-(U227-I11): length 2.4
  Top w0.2: U227.20 R18.1
Net-(U228-I11): length 1.9
  Top w0.2: U228.20 R19.1
Net-(U229-PE0): length 36.4
  Top w0.2: U229.169 27.31,83.69 R21.2 26.12,78.22 SW2.1 ; 8.01,63.01 8,63
  Top w1: SW2.1 SW2.1
Net-(U229-PE1): length 30.1
  Top w0.2: U229.170 27.81,83.69 R20.2 29,63 ; 26.99,63.01 27,63
  Top w1: SW1.1 SW1.1
Net-(U231-PG): length 2
  Top w0.2: U231.4 8.18,124.59 R24.2
Net-(U231-SS/TR): length 2
  Top w0.2: U231.9 C21.1

## Copper pours and planes (outline as drawn; the poured copper is in the pictures)
3.3V on Bottom: -0.5,138 -0.5,-0.5 244.5,-0.5 244.5,138
GND on Top: -1,138.5 -1,-1 245,-1 245,138.5

## Text on the board
F.Silkscreen: JLCJLCJLCJLC | MUX 1 | MUX 2 | MUX 3 | MUX 4 | MUX 5 | MUX 6 | MUX 7 | MUX 8 | MUX 9 | MUX 10 | MUX 11 | MUX 12 | MUX 13 | MUX 14 | MUX 15 | MUX 16 | MUX 17 | MUX 18 | MUX 19 | designed in Korea | Pompyboard Prototype
